# Altium PCB Board_Layout_Test.PcbDoc (part 2 of 2) (continued)
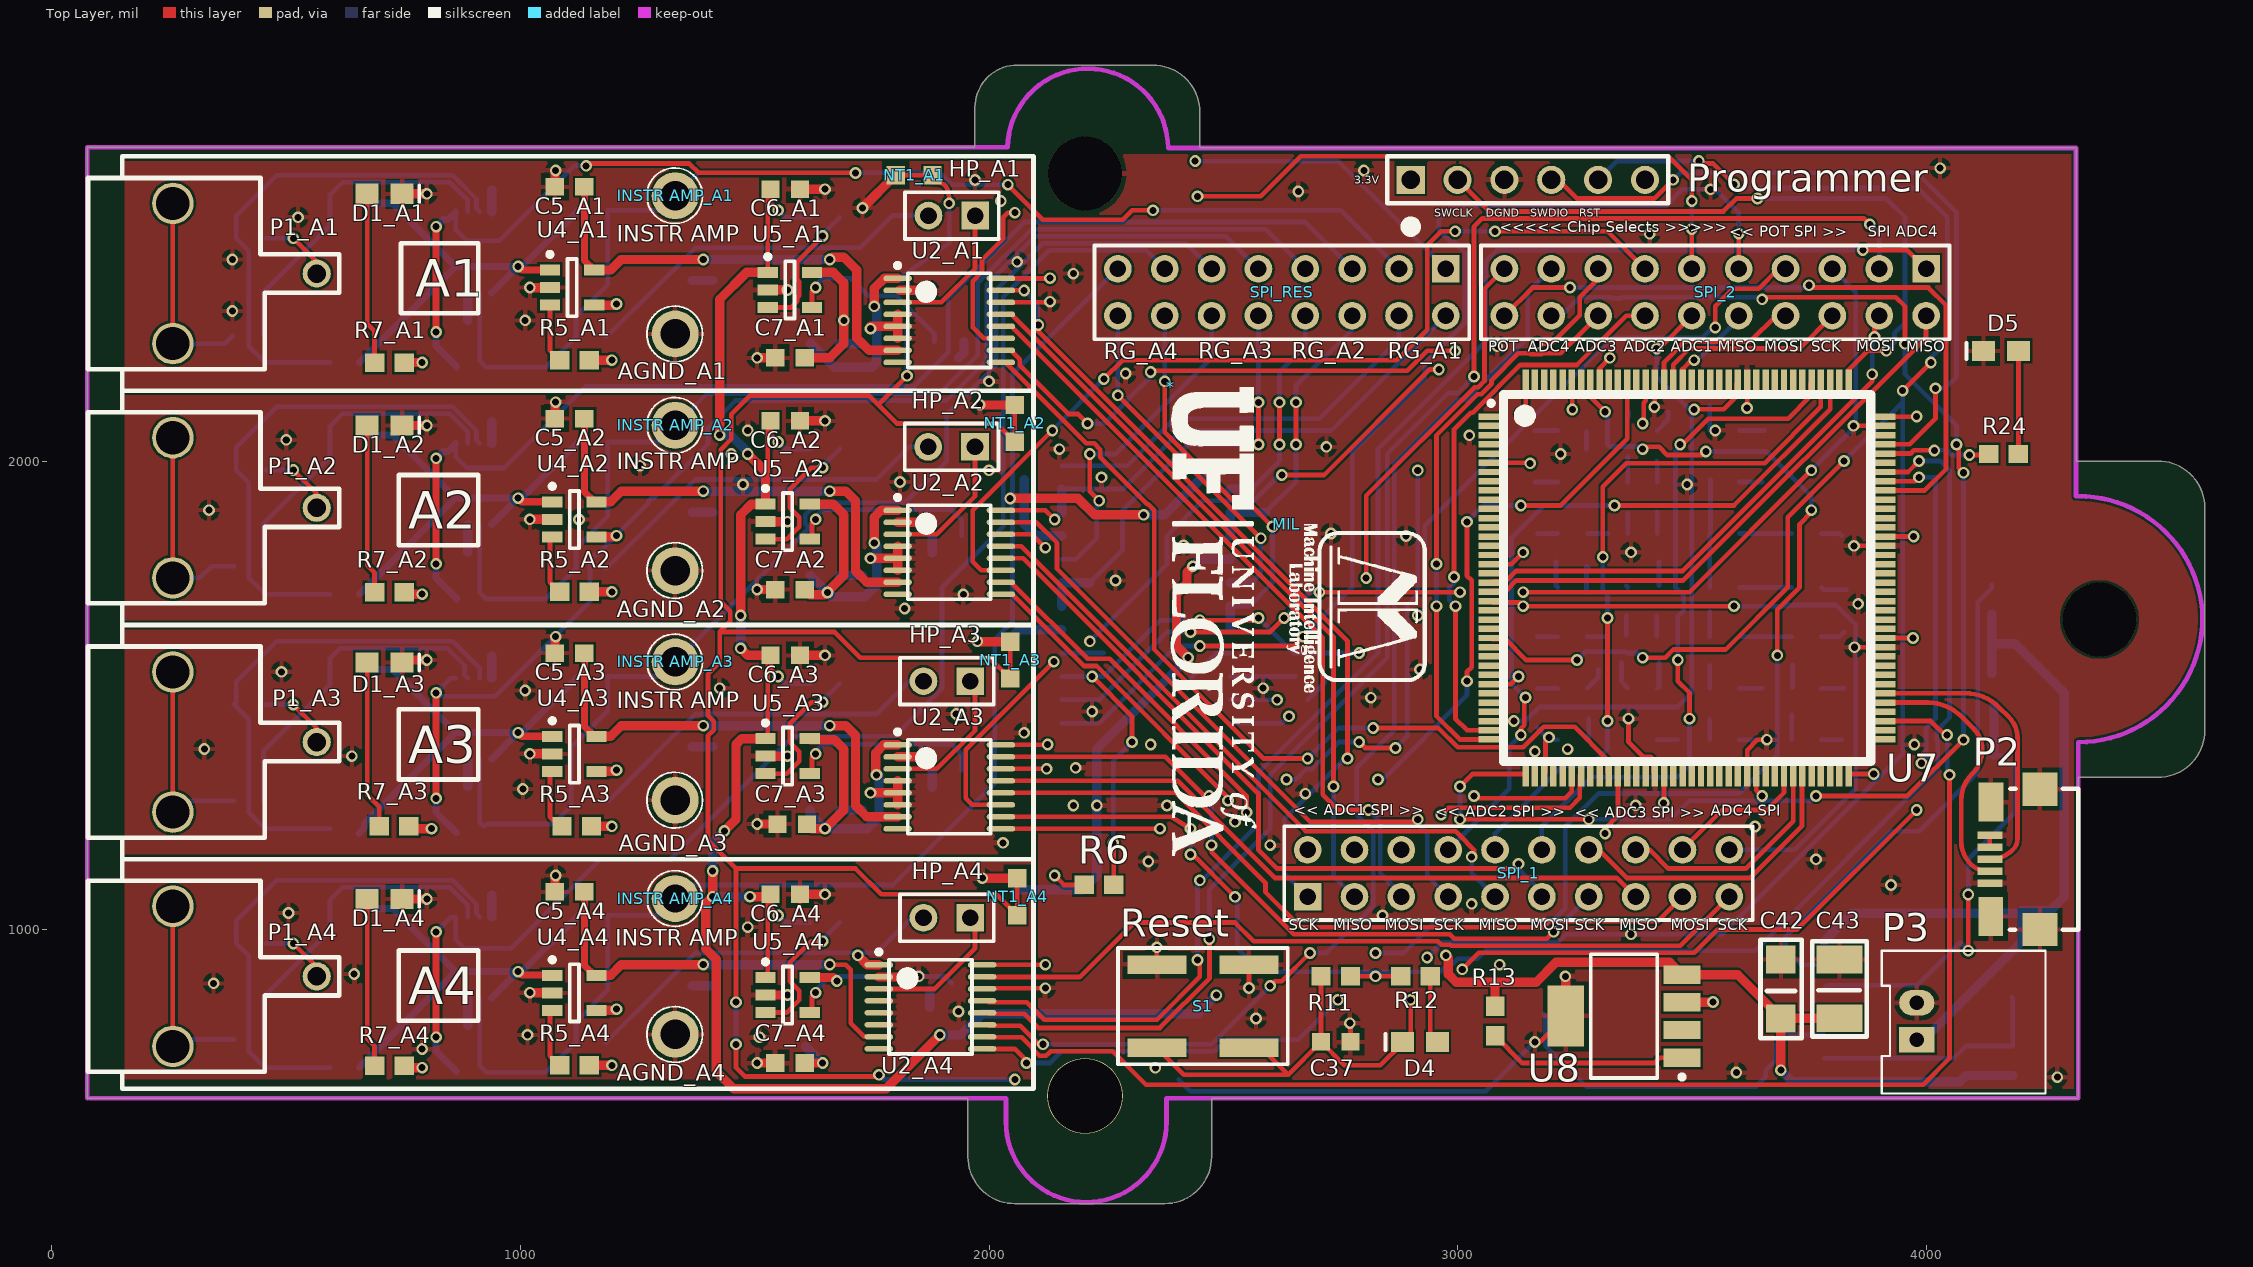
[diagram p0: Top Layer view]
## Nets (pads, with @x,y where several pads share a name; then routed paths per layer and width w, separated by ;. In a path a pad name is that pad's centre, name@x,y a point inside that pad or via, vN(x,y) a via of type N, cw(c..) or ccw(c..) an arc to the next point about the centre after c; other vN are vias at no path point) (continued)
  Bottom Layer w10: U3.23@2154.88,1940.21 2285,1940.21 2410,2065.21 2730,2065.21 SPI_RES.2@2975,2310.21
  Bottom Layer w20: U3.22@2154.88,1890.21 U3.23@2154.88,1940.21
RGA_2: DNP_A2.1 SPI_RES.5 U1_A2.1 | length 2650.6
  Top Layer w15: v1(820,1780.73) v1(820,2005.73)
  Bottom Layer w10: U1_A2.1@861.61,2036.83 861.61,2008.6 885,1985.21 965,1985.21 1138.97,2159.18 1840,2159.18 1913.19,2232.37 1913.19,2348.19 2075,2510 2675.21,2510 SPI_RES.5@2775,2410.21
  Bottom Layer w15: v1(820,1780.73) 820,1750.73 863.5,1707.22 DNP_A2.1@863.5,1705.73 ; v1(820,2005.73) 835,2020.73 845,2020.73 U1_A2.1@861.61,2037.34
RGA_2I: SPI_RES.6 U3.3 U3.4 | length 621.5
  Top Layer w10: v1(2655,2035.21) v1(2655,2125.21)
  Bottom Layer w10: 2590,1890.21 2655,1955.21 v1(2655,2035.21) ; v1(2655,2125.21) 2655,2160.21 2775,2280.21 SPI_RES.6@2775,2310.21
  Bottom Layer w20: U3.4@2515.12,1840.21 U3.3@2515.12,1890.21 2590,1890.21
RGA_3: DNP_A3.1 SPI_RES.9 U1_A3.1 | length 2734.6
  Top Layer w15: v1(820,1280.21) v1(820,1505.21)
  Bottom Layer w10: U1_A3.1@861.61,1536.32 851.1,1536.32 v1(820,1505.21) 827.44,1497.77 946.2,1497.77 1148.19,1699.76 1148.19,1789.95 1157.67,1799.43 1162.5,1799.43 1272.83,1909.76 1272.83,1914.55 1278.69,1920.41 1283.48,1920.41 1400.2,2037.12 1400.2,2070.41 1458.97,2129.18 1909.18,2129.18 1995,2215 1995,2376.43 2098.57,2480 2505.21,2480 SPI_RES.9@2575,2410.21
  Bottom Layer w15: v1(820,1280.21) 820,1250.21 DNP_A3.1@863.5,1206.71
RGA_3I: SPI_RES.10 U3.18 U3.19 | length 917.1
  Top Layer w10: v1(2575,2035.21) v1(2575,2125.21)
  Bottom Layer w10: 2215,1740.21 2285,1810.21 2285,1895.21 2425,2035.21 v1(2575,2035.21) ; v1(2575,2125.21) SPI_RES.10@2575,2310.21
  Bottom Layer w20: U3.18@2154.88,1690.21 U3.19@2154.88,1740.21 2215,1740.21
RGA_4: DNP_A4.1 SPI_RES.13 U1_A4.1 | length 2987.1
  Top Layer w15: v1(820,770.21) v1(820,995.21)
  Bottom Layer w10: v1(820,995.21) 851.1,1026.32 U1_A4.1@861.61,1026.32 861.61,978.6 880,960.21 980,960.21 1170,1150.21 1320,1150.21 1582.5,1412.71 1798.4,1412.71 1899.53,1513.84 1899.53,1729.74 2030,1860.21 2030,2351.01 2128.73,2449.74 2335.47,2449.74 SPI_RES.13@2375,2410.21
  Bottom Layer w15: v1(820,770.21) 820,740.21 DNP_A4.1@863.5,696.71
RGA_4I: SPI_RES.14 U3.7 U3.8 | length 842.7
  Top Layer w10: v1(2375,2170.21) 2375,2061.43 2526.21,1910.21 2555,1910.21 v1(2605,1860.21)
  Bottom Layer w10: v1(2375,2170.21) SPI_RES.14@2375,2310.21 ; U3.7@2515.12,1690.21 2555,1690.21 2605,1740.21 v1(2605,1860.21)
  Bottom Layer w20: U3.8@2515.12,1640.21 U3.7@2515.12,1690.21
RGB_1: "INSTR AMP_A1.1" C4_A1.1 DNP_A1.2 R4_A1.2 SPI_RES.3 U1_A1.6 | length 2509.4
  Top Layer w10: v1(2040,2590) 2115,2515 2285,2515 2305.21,2535.21 v1(2350,2535.21)
  Bottom Layer w10: U1_A1.6@912.8,2358.6 912.8,2213.91 DNP_A1.2@926.5,2200.21 1053.5,2200.21 C4_A1.1@1118.5,2265.21 1118.5,2308.72 1186.5,2376.71 R4_A1.2@1186.5,2535.21 1304.02,2535.21 1335,2566.2 ; 1330,2566.2 1379.02,2615.21 1894.79,2615.21 1920,2590 v1(2040,2590) ; v1@2350,2535 2750.21,2535 SPI_RES.3@2875,2410.21
RGB_1I: SPI_RES.4 U3.24 | length 882
  Bottom Layer w10: U3.24@2154.88,1990.21 2295,1990.21 2395,2090.21 2705,2090.21 2875,2260.21 SPI_RES.4@2875,2310.21
RGB_2: "INSTR AMP_A2.1" C4_A2.1 DNP_A2.2 R4_A2.2 SPI_RES.7 U1_A2.6 | length 2538.2
  Bottom Layer w10: U1_A2.6@912.8,1864.11 912.8,1719.43 DNP_A2.2@926.5,1705.73 1053.5,1705.73 C4_A2.1@1118.5,1770.73 1118.5,1814.23 1186.5,1882.22 R4_A2.2@1186.5,2040.73 1304.02,2040.73 1365,2101.71 1365,2111.2 ; 1330,2076.2 1397.98,2144.18 1894.18,2144.18 1976.18,2226.18 1976.18,2380.18 2091,2495 2590.21,2495 SPI_RES.7@2675,2410.21
RGB_2I: SPI_RES.8 U3.2 | length 462.5
  Top Layer w10: v1(2620,2035.21) v1(2620,2125.21)
  Bottom Layer w10: U3.2@2560,1940.21 2620,2000.21 v1(2620,2035.21) ; v1(2620,2125.21) 2620,2190.21 2675,2245.21 SPI_RES.8@2675,2310.21
  Bottom Layer w20: U3.2@2515.12,1940.21 U3.2@2560,1940.21
RGB_3: "INSTR AMP_A3.1" C4_A3.1 DNP_A3.2 R4_A3.2 SPI_RES.11 U1_A3.6 | length 2493.9
  Bottom Layer w10: U1_A3.6@912.8,1363.09 912.8,1228.91 DNP_A3.2@921.5,1220.21 ; DNP_A3.2@927.8,1225.13 1069.91,1225.13 1108.5,1263.72 C4_A3.1@1108.5,1275.21 1108.5,1388.72 1186.5,1466.71 R4_A3.2@1186.5,1540.21 1291.48,1540.21 1291.48,1571.69 ; 1329.51,1571.69 1330,1572.18 1330,1571.2 ; 1330,1607.55 1366.35,1607.55 1616.35,1857.55 1607.5,1866.41 1607.5,1885.05 1620.68,1898.23 1626.29,1898.23 1638.79,1910.73 1820.51,1910.73 1909.53,1999.74 1909.53,2100.32 2015,2205.79 2015,2365.21 2114.79,2465 2420.21,2465 SPI_RES.11@2475,2410.21
RGB_3I: SPI_RES.12 U3.20 | length 722
  Top Layer w10: v1(2215,2015.21) 2215,1935.21 v1(2235,1915.21)
  Bottom Layer w10: U3.20@2154.88,1790.21 2185,1790.21 2230,1835.21 v1@2230,1920.21 ; v1(2215,2015.21) 2270,2015.21 2475,2220.21 SPI_RES.12@2475,2310.21
RGB_4: "INSTR AMP_A4.1" C4_A4.1 DNP_A4.2 R4_A4.2 SPI_RES.15 U1_A4.6 | length 2833.3
  Bottom Layer w10: U1_A4.6@912.8,853.6 912.8,708.91 DNP_A4.2@926.5,695.21 1053.5,695.21 C4_A4.1@1118.5,760.21 1118.5,803.72 1186.5,871.71 R4_A4.2@1186.5,1030.21 1304.02,1030.21 1335,1061.2 ; 1330,1066.2 1359.02,1095.21 1795,1095.21 2012.5,1312.71 2012.5,1619.53 2050,1657.03 2050,2185.21 SPI_RES.15@2275,2410.21
RGB_4I: SPI_RES.16 U3.6 | length 749.5
  Top Layer w10: v1(2275,2140.21) v1(2580,1835.21)
  Bottom Layer w10: v1(2275,2140.21) SPI_RES.16@2275,2310.21 ; U3.6@2560,1740.21 2580,1760.21 v1(2580,1835.21)
  Bottom Layer w20: U3.6@2515.12,1740.21 U3.6@2560,1740.21
RX: P2.2 U7.77 | length 568.2
  Top Layer w10: U7.77@3908.31,1484.47 4004.11,1484.47 cw(c4004.11,1384.47) 4074.82,1455.18 4102.32,1427.68 cw(c4059.64,1385) 4120,1385 cw(c4044.14,1385) 4097.78,1331.36 ccw(c4152.78,1276.36) 4097.71,1331.29 ccw(c4152.78,1276.36) 4075,1276.36 4075,1188.28 ccw(c4143.28,1188.28) 4095,1140 ccw(c4132.64,1177.64) 4132.64,1124.41 P2.2@4136,1124.41
SCK_ADC1: SPI_1.1 U2_A1.15 | length 1707.5
  Top Layer w10: U2_A1.15@2025.24,2364.19 v1(2075,2364.19) ; v1(2105,2290.21) 2105.61,2289.61 2105.61,2275.82 2765,1616.43 v1(2765,1365.21)
  Bottom Layer w10: v1(2075,2364.19) 2103.98,2335.21 v1@2103.98,2291.24 ; SPI_1.1@2680,1070.21 2630.2,1120.02 2630.2,1235.41 2760,1365.21 v1(2765,1365.21)
SCK_ADC2: SPI_1.7 U2_A2.15 | length 1380.6
  Top Layer w10: U2_A2.15@2025.24,1869.19 2101.02,1869.19 2145,1825.21 2145,1770.21 2685,1230.21 2910,1230.21 v1(2915,1235.21)
  Bottom Layer w10: v1(2915,1235.21) 2915,1225.21 2935,1205.21 2935,1115.21 SPI_1.7@2980,1070.21
SCK_ADC3: SPI_1.13 U2_A3.15 | length 1537.4
  Top Layer w10: U2_A3.15@2025.24,1368.68 2376.54,1368.68 v1@2465,1280.21 ; v1(2475,1180.21) 2475,1165.21 2650.21,990 2983.03,990 2992.82,980.21 3190,980.21 v1(3205,995.21) ; SPI_1.13@3280,1050.21 SPI_1.13@3280,1070.21
  Bottom Layer w10: v1(2470,1285.21) 2470,1275.21 2475,1270.21 v1(2475,1180.21) ; v1(3205,995.21) SPI_1.13@3280,1070.21
SCK_ADC4: SPI_1.19 U2_A4.15 | length 1697.3
  Top Layer w10: U2_A4.15@1995,898.68 2193.68,898.68 2310,1015 2525,1015 2565,975 2958.18,975 2965.68,967.5 2984.32,967.5 2986.61,965.21 3475,965.21 SPI_1.19@3580,1070.21
SCK_POT: SPI_2.5 U3.14 | length 2300.2
  Top Layer w10: v1(2430,1635.21) 2600,1635.21 v1(2630,1665.21) v1@2635,1670.21 ; v1(2705,1720.21) v1(3005,1720.21) ; v1(3140,1720.21) 3495,1720.21 v1(3755,1980.21)
  Ground w10: v1(3005,1720.21) v1(3140,1720.21)
  Bottom Layer w10: U3.14@2154.88,1490.21 2235,1490.21 2380,1635.21 v1(2430,1635.21) ; v1(2630,1665.21) 2685,1720.21 v1(2705,1720.21) ; v1(3755,1980.21) 3850,2075.21 3850,2360.21 SPI_2.5@3800,2410.21
SDI_ADC1: SPI_1.5 U2_A1.12 | length 1622.6
  Top Layer w10: U2_A1.12@2025.24,2287.42 2047.8,2287.42 2712.5,1622.71 2712.5,1287.71 2745,1255.21 v1(2810,1255.21)
  Bottom Layer w10: v1(2810,1255.21) 2835,1230.21 2835,1120.21 2880,1075.21 SPI_1.5@2880,1070.21
SDI_ADC2: SPI_1.11 U2_A2.12 | length 1544.2
  Top Layer w10: U2_A2.12@2025.24,1792.42 2072.8,1792.42 2575,1290.21 2575,1170.21 2615,1130.21 3120,1130.21 v1(3130,1140.21)
  Bottom Layer w10: v1(3130,1140.21) 3130,1130.21 3180,1080.21 SPI_1.11@3180,1070.21
SDI_ADC3: SPI_1.17 U2_A3.12 | length 1612.2
  Top Layer w10: U2_A3.12@2025.24,1291.91 2398.31,1291.91 2590,1100.21 2590,1080.21 2665,1005.21 3183.18,1005.21 3195.68,1017.71 3427.5,1017.71 SPI_1.17@3480,1070.21
SDI_ADC4: SPI_2.3 U2_A4.12 | length 3338.2
  Top Layer w10: U2_A4.12@1999.08,820 2075,820 2105,790 2364.79,790 2470.61,895.82 v1@2470.61,980 ; v1(3035,2180.21) 3035,2500.21 3052.5,2517.71 3867.5,2517.71 v1(3880,2505.21)
  Bottom Layer w10: 2470,1065 2470,1085.21 2600,1215.21 2600,1330.21 2850,1580.21 2850,2015.21 2980,2145.21 3000,2145.21 v1(3035,2180.21) ; v1@2470.61,980 2470.61,1064.61 ; v1(3880,2505.21) 3900,2485.21 SPI_2.3@3900,2410.21
  other v1: 2470,980
SDI_POT: SPI_2.7 U3.12 | length 1715.1
  Top Layer w10: v1(3550,2285.21) 3550,2330.21 3587.5,2367.71 3642.5,2367.71 3685,2410.21 SPI_2.7@3700,2410.21
  Power w10: v1(2640,1455.21) 2700,1455.21 v1(2915,1670.21)
  Bottom Layer w10: U3.12@2515.12,1440.21 2625,1440.21 v1(2640,1455.21) ; v1(2915,1670.21) 2930,1685.21 2930,1862.03 3330.68,2262.71 3522.5,2262.71 v1@3547.5,2287.71
SDO_ADC1: SPI_1.3 U2_A1.13 | length 1568.3
  Top Layer w10: U2_A1.13@2025.24,2313.01 2047.2,2313.01 2735,1625.21 v1(2735,1305.21)
  Bottom Layer w10: v1(2735,1305.21) 2735,1115.21 SPI_1.3@2780,1070.21
SDO_ADC2: SPI_1.9 U2_A2.13 | length 1399.7
  Top Layer w10: U2_A2.13@2025.24,1818.01 2068.42,1818.01 2676.08,1210.35 ; 2675.47,1209.74 2996.37,1209.74 3019.53,1186.59 3019.53,1185.69 3035,1170.21 v1@3035,1155.21
  Bottom Layer w10: v1(3030,1155.21) 3030,1120.21 SPI_1.9@3080,1070.21
SDO_ADC3: SPI_1.15 U2_A3.13 | length 1457.2
  Top Layer w10: U2_A3.13@2025.24,1317.5 2402.72,1317.5 2610,1110.21 3340,1110.21 SPI_1.15@3380,1070.21
SDO_ADC4: SPI_2.1 U2_A4.13 | length 3254.3
  Top Layer w10: U2_A4.13@1999.3,845 2080,845 2117.5,807.5 2358.47,807.5 2450,899.03 v1@2450,934 ; v1(3865,2450.21) 3960,2450.21 SPI_2.1@4000,2410.21
  Bottom Layer w10: v1(2445,935) 2445,1100.21 v1(2450,1105.21) 2455,1105.21 2575,1225.21 2575,1335.21 2830,1590.21 2830,2025.21 3060.47,2255.69 3060.47,2426.59 3083.63,2449.74 v1@3865,2449.74
SDO_POT: SPI_2.9 U3.13 | length 2480.5
  Top Layer w10: v1(2450,1605.21) 2650,1605.21 v1(2670,1625.21) ; SPI_2.9@3579.06,2410.21 SPI_2.9@3600,2410.21 v1(3600,2485.21)
  Bottom Layer w10: U3.13@2154.88,1440.21 2235,1440.21 2400,1605.21 v1(2450,1605.21) ; v1(2670,1625.21) 2775,1730.21 2775,2020.21 2930,2175.21 2930,2210.21 2990.47,2270.69 2991.37,2270.69 3015,2294.31 3015,2445.21 2992.5,2467.71 2985.68,2467.71 2960,2493.39 2960,2515.21 2990,2545.21 3445,2545.21 3480,2580.21 3550,2580.21 3600,2530.21 v1(3600,2485.21)
SPI1_CE: SPI_2.12 U7.34 | length 1318.3
  Top Layer w10: U7.34@3071.69,1445.1 3119.88,1445.1 v1(3120,1445.21) ; v1@3430,2240.21 SPI_2.12@3500,2310.21
  Bottom Layer w10: v1(3120,1445.21) 3145,1445.21 3175,1475.21 3470,1475.21 3500,1505.21 3500,2105.21 3425,2180.21 v1(3425,2240.21)
SPI1_MISO: SPI_1.4 U7.42 | length 553
  Top Layer w10: v1@3035,1280.21 3230,1280.21 3243.94,1294.15 U7.42@3243.94,1331.91
  Power w10: SPI_1.4@2780,1170.21 2790,1170.21 2900,1280.21 v1@3035,1280.21
  other v1: 3035,1285.21
SPI1_MOSI: SPI_1.6 U7.43 | length 478.8
  Top Layer w10: v1(2965,1245.21) 2980,1260.21 3240,1260.21 3260.83,1281.04 3260.83,1329.11 U7.43@3263.62,1331.91
  Power w10: SPI_1.6@2880,1170.21 2890,1170.21 v1(2965,1245.21)
SPI1_SCK: SPI_1.2 U7.133 | length 1391.6
  Top Layer w10: v1(3020,1530.21) 3020,1550.21 3030,1560.21 3030,1745.21 3020,1755.21 v1(3020,1870.21) ; v1(3135,1905.21) 3220,1905.21 3362.05,2047.26 U7.133@3362.05,2168.52
  Power w10: SPI_1.2@2680,1170.21 v1(2830,1320.21)
  Bottom Layer w10: v1(2830,1320.21) 2840,1320.21 3020,1500.21 v1(3020,1530.21) ; v1(3020,1870.21) 3055,1905.21 v1(3135,1905.21)
SPI3_CE: SPI_2.14 U7.35 | length 1226.1
  Top Layer w10: v1(2992.5,1752.71) 2992.5,2067.71 3028.11,2103.32 3032.35,2103.32 3134.13,2205.1 3254.88,2205.1 3360,2310.21 SPI_2.14@3400,2310.21 ; v1@2995.39,1694.82 v1(2995.39,1690.21) 2995.39,1450.21 3020.2,1425.41 U7.35@3071.69,1425.41
  Bottom Layer w10: v1(2992.5,1752.71) 2992.5,1739.53 2982.5,1729.53 2982.5,1703.11 v1(2995.39,1690.21)
SPI3_MISO: SPI_1.10 U7.112 | length 1507.6
  Top Layer w10: v1(3310,1795.21) 3310,1945.21 3360,1995.21 3655.21,1995.21 3775.43,2115.43 U7.112@3775.43,2168.52 ; v1(3320,1445.21) v1(3320,1665.21) v1@3320,1670.21
  Bottom Layer w10: SPI_1.10@3080,1170.21 3080,1205 3225.21,1350.21 3285,1350.21 3320,1385.21 v1(3320,1445.21) ; v1(3310,1795.21) 3310,1725.21 3320,1715.21 v1(3320,1665.21)
SPI3_MOSI: SPI_1.12 U7.113 | length 1490.2
  Top Layer w10: v1(3470,1575.21) 3470,1530.21 3495,1505.21 v1(3495,1450.21) ; v1(3475,2035.21) 3475,2030.21 3535,2090.21 3705.36,2090.21 3752.95,2137.8 3752.95,2165.73 U7.113@3755.75,2168.52
  Bottom Layer w10: SPI_1.12@3180,1170.21 3180,1220.21 3285,1325.21 3470,1325.21 3495,1350.21 v1(3495,1450.21) ; v1(3470,1575.21) 3470,1668.39 3482.5,1680.89 3482.5,1712.71 3465,1730.21 3465,2020.21 3475,2030.21 v1(3475,2035.21)
SPI3_SCK: SPI_1.8 U7.111 | length 1594.5
  Top Layer w10: v1(3135,1415.21) 3135,1428.39 3142.5,1435.89 v1@3142.5,1492.71 ; v1@3325,1905.21 3590,1905.21 3795.12,2110.33 U7.111@3795.12,2168.52
  Bottom Layer w10: SPI_1.8@2980,1170.21 3110,1300.21 3110,1390.21 v1(3135,1415.21) ; v1(3145,1495.21) 3115,1525.21 3115,1835.21 3185,1905.21 v1@3325,1905.21
  other v1: 3335,1905.21
SPI4_CE: SPI_2.16 U7.36 | length 1194.6
  Top Layer w10: v1(2955,1690.21) 2955,1455.21 3004.49,1405.73 U7.36@3071.69,1405.73 ; v1(2955,1780.21) 2955,2055.21 3042.5,2142.71 3050.53,2142.71 3072.5,2164.68 3072.5,2172.71 3130,2230.21 3153.18,2230.21 3155.68,2227.71 3179.32,2227.71 3181.82,2230.21 3220,2230.21 SPI_2.16@3300,2310.21
  Bottom Layer w10: v1(2955,1690.21) v1(2955,1780.21)
SPI4_MISO: SPI_1.16 U7.66 | length 495.3
  Top Layer w10: SPI_1.16@3380,1170.21 3410,1170.21 3450,1130.21 3615,1130.21 3716.38,1231.59 U7.66@3716.38,1331.91
SPI4_MOSI: SPI_1.18 U7.65 | length 307.1
  Top Layer w10: SPI_1.18@3480,1170.21 3565,1255.21 3660,1255.21 3696.69,1291.91 U7.65@3696.69,1331.91
SPI4_SCK: SPI_1.14 U7.67 | length 636
  Top Layer w10: SPI_1.14@3280,1170.21 3301.21,1170.21 3361.21,1110.21 3625,1110.21 3735,1220.21 U7.67@3735,1330.84
SPI5_CE: SPI_2.18 U7.37 | length 3121.8
  Top Layer w10: v1(3005,1235.21) v1(3280,1235.21) ; v1(3005,1305.21) 3031.69,1331.91 U7.37@3145.51,1331.91 ; v1(3650,2345.21) 3654.53,2349.74 3935.47,2349.74 3955,2330.21 v1(3955,2250.21) ; v1(3765,1285.21) 3960,1285.21 v1@4079.89,1405.11 ; v1(4065,2035.21) 4069.79,2030.43 4069.79,2003.39 4070,2003.18 4070,1985 v1(4080,1975)
  Bottom Layer w10: v1@3005,1240.21 v1(3005,1305.21) ; SPI_2.18@3200,2310.21 3220.94,2310.21 3260.47,2349.74 3328.65,2349.74 3330.68,2347.71 3349.32,2347.71 3351.35,2349.74 v1@3650,2349.74 ; v1(3280,1235.21) 3455,1235.21 3495,1275.21 3755,1275.21 v1(3765,1285.21) ; v1(3955,2250.21) 3955,2185.21 4065,2075.21 v1(4065,2035.21) ; v1(4080,1405) v1(4080,1975)
SPI5_MISO: SPI_2.2 U7.20 | length 1199.9
  Top Layer w10: U7.20@3071.69,1720.69 3074.49,1723.48 3103.94,1723.48 3125.67,1745.21 3481.82,1745.21 4000,2263.39 SPI_2.2@4000,2310.21
SPI5_MOSI: SPI_2.4 U7.19 | length 1137.6
  Top Layer w10: U7.19@3071.69,1740.37 3074.49,1743.17 3102.41,1743.17 3124.46,1765.21 3480,1765.21 3885,2170.21 v1(3885,2185.21) ; v1(3890,2265.21) 3890,2300.21 SPI_2.4@3900,2310.21
  Bottom Layer w10: v1(3885,2185.21) 3885,2260.21 v1(3890,2265.21)
SPI5_SCK: SPI_1.20 U7.21 | length 1478.8
  Top Layer w10: U7.21@3071.69,1701 3074.49,1698.21 3132.01,1698.21 v1(3140,1690.21) v1(3590,1690.21)
  Bottom Layer w10: v1(3140,1690.21) v1@3142.5,1692.71 ; SPI_1.20@3580,1170.21 3720,1170.21 3850,1300.21 3850,1650.21 3807.5,1692.71 3705.68,1692.71 3703.18,1690.21 v1(3590,1690.21)
SPI6_CE: SPI_2.20 U7.100 | length 1485.9
  Top Layer w10: SPI_2.20@3100,2310.21 3160,2370.21 v1(3240,2370.21) ; v1@3750,2370.21 4005,2370.21 4042.5,2332.71 4042.5,1982.71 3997.01,1937.22 U7.100@3908.31,1937.22
  Bottom Layer w10: v1(3240,2370.21) v1@3750,2370.21
  other v1: 3750,2375.21
SPI6_MISO: SPI_2.10 U7.127 | length 198.9
  Top Layer w10: U7.127@3480.16,2168.52 3480.16,2196.44 3498.93,2215.21 v1(3505,2215.21)
  Bottom Layer w10: v1(3505,2215.21) 3511.82,2215.21 3600,2303.39 SPI_2.10@3600,2310.21
SPI6_MOSI: SPI_2.8 U7.129 | length 342.8
  Top Layer w10: U7.129@3440.79,2168.52 3440.79,2211 3485,2255.21 3625,2255.21 3680,2310.21 SPI_2.8@3700,2310.21
SPI6_SCK: SPI_2.6 U7.128 | length 420
  Top Layer w10: U7.128@3460.47,2168.52 3460.47,2205.69 3495,2240.21 3730,2240.21 SPI_2.6@3800,2310.21
SWCLK: Programmer.2 U7.109 | length 1431
  Top Layer w10: Programmer.2@3000,2600.21 3067.5,2532.71 3567.5,2532.71 3595,2560.21 v1(3640,2560.21) ; U7.109@3834.49,2168.52 3834.49,2194.7 3875,2235.21 v1(3915,2235.21)
  Bottom Layer w10: v1@3645,2560.21 3915,2560.21 3955,2520.21 3955,2295.21 3932.5,2272.71 3932.5,2252.71 v1(3915,2235.21)
SWDIO: Programmer.4 U7.105 | length 1551.3
  Top Layer w10: Programmer.4@3200,2600.21 3215,2600.21 3255,2560.21 3420,2560.21 v1(3460,2600.21) v1@3465,2605.21 ; U7.105@3908.31,2035.65 3965.43,2035.65 4020,2090.21 v1(4020,2155.21)
  Bottom Layer w10: v1(3460,2600.21) 3475,2615.21 3980,2615.21 4065,2530.21 4065,2180.21 4040,2155.21 v1(4020,2155.21)
TX: P2.3 U7.78 | length 630.5
  Top Layer w10: U7.78@3908.31,1504.15 4084.43,1504.15 cw(c4084.43,1404.15) 4155.14,1474.86 4177.32,1452.68 cw(c4134.64,1410) 4195,1410 4195,1194.14 cw(c4160.86,1194.14) 4185,1170 cw(c4136.72,1218.28) 4136.72,1150 P2.3@4136,1150
VIN: C40.1 C41.1 P3.1 R10.1 R17.1 U9.1 | length 1681.8
  Bottom Layer w20: U9.1@3782.6,975 3842.6,1035 C40.1@3975,1035 C41.1@4199.21,1035 ; P3.1@3980,765 3995,765 4205,975 C41.1@4205,1040.79 4265.79,1040.79 4295,1070 4295,1505 4190,1610 4140,1610 ; R10.1@4140,1546.5 4140,1610 ; R17.1@4140,1673.5 4140,1610
pads on no net: Programmer.6 U1_A1.8 U1_A2.8 U1_A3.8 U1_A4.8 U2_A1.8 U2_A2.8 U2_A3.8 U2_A4.8 U7.1 U7.2 U7.3 U7.4 U7.5 U7.7 U7.8 U7.9 U7.10 U7.11 U7.12 U7.13 U7.14 U7.15 U7.18 U7.22 U7.23 U7.24 U7.26 U7.27 U7.28 U7.29 U7.32 U7.33 U7.40 U7.41 U7.44 U7.45 U7.48 U7.49 U7.50 U7.53 U7.54 U7.55 U7.56 U7.57 U7.58 U7.59 U7.60 U7.63 U7.64 U7.68 U7.69 U7.70 U7.71 U7.73 U7.74 U7.76 U7.79 U7.80 U7.81 U7.82 U7.85 U7.86 U7.87 U7.88 U7.89 U7.90 U7.91 U7.92 U7.93 U7.96 U7.97 U7.98 U7.99 U7.103 U7.106 U7.110 U7.114 U7.115 U7.116 U7.117 U7.118 U7.119 U7.122 U7.123 U7.124 U7.125 U7.126 U7.132 U7.134 U7.135 U7.138 U7.140 U7.141 U7.142 U7.143 U8.2
copper on no net: | length 11.9
  Bottom Layer w10: v3@3363.5,2093.91 3365,2095.41 v3(3365,2105.21)

## Polygon pours and split planes (outlines as drawn)
4.2V_A2 on Power "4.2V_A2" (solid, remove dead copper, pour order 23): 155,2140.21 2090,2140.21 2090,1660.21 155,1660.21 155,2140.21
4.2V_A1 on Power "4.2V_A1" (solid, remove dead copper, pour order 21): 150,2640.21 2090,2640.21 2090,2160.21 155,2160.21 155,2635.21 150,2640.21
4.2V_A3 on Power "4.2V_A3" (solid, remove dead copper, pour order 26): 155,1640.21 2090,1640.21 2090,1160.21 155,1160.21 155,1640.21
4.2V_A4 on Power "4.2V_A4" (solid, remove dead copper, pour order 30): 157.09,1145.1 2090,1145.1 2090,685.1 157.09,685.1 157.09,1145.1
3.3VD on Power "3.3VD" (solid, remove dead copper, pour order 38): 2105,2655.21 4615,2655.21 4615,660.21 2105,660.21 2105,2655.21
AGND2 on Ground "AGND_A2" (solid, pour order 24): 155,2140.21 2090,2140.21 2090,1660.21 155,1660.21 155,2140.21
AGND1 on Ground "AGND_A1" (solid, remove dead copper, pour order 22): 155,2640.21 2090,2640.21 2090,2160.21 155,2160.21 155,2640.21
AGND3 on Ground "AGND_A3" (solid, remove dead copper, pour order 28): 155,1640.21 2090,1640.21 2090,1160.21 155,1160.21 155,1640.21
AGND4 on Ground "AGND_A4" (solid, remove dead copper, pour order 32): 155,1142.86 2090,1142.86 2090,677.86 155,677.86 155,1142.86
DGND on Ground "DGND" (solid, remove dead copper, pour order 37): 2105,2655.21 4610,2655.21 4610,660.21 2105,660.21 2105,2655.21
AGND1 on Top Layer "AGND_A1" (solid, remove dead copper, pour order 25): 155,2640.21 2090,2640.21 2090,2165.21 2080,2155.21 155,2155.21 155,2640.21
AGND2 on Top Layer "AGND_A2" (solid, remove dead copper, pour order 29): 155,2140.21 2090,2140.21 2090,1655.73 2085.51,1660.21 155,1660.21 155,2140.21
AGND3 on Top Layer "AGND_A3" (solid, remove dead copper, pour order 33): 155,1640.21 2090,1640.21 2090,1155.21 2085,1160.21 155,1160.21 155,1640.21
AGND4 on Top Layer "AGND_A4" (solid, remove dead copper, pour order 36): 155,1145.21 2090,1145.21 2090,680.21 160,680.21 155,675.21 155,1145.21
DGND on Top Layer "DGND" (solid, remove dead copper, pour order 39): 2105,2655.21 4615,2655.21 4615,660.21 2105,660.21 2105,2655.21
AGND1 on Bottom Layer "AGND_A1" (solid, remove dead copper, pour order 27): 155,2640.21 2090,2640.21 2090,2165.21 2095,2160.21 2090,2155.21 155,2155.21
AGND2 on Bottom Layer "AGND_A2" (solid, remove dead copper, pour order 31): 155,2140.21 2090,2140.21 2090,1665.21 2095,1660.21 2090,1665.21 155,1665.21 155,2140.21
AGND3 on Bottom Layer "AGND_A3" (solid, remove dead copper, pour order 34): 155,1640.21 2090,1640.21 2090,1160.21 2085,1165.21 155,1165.21 155,1640.21
AGND4 on Bottom Layer "AGND_A4" (solid, remove dead copper, pour order 35): 2095,1145.21 2090,1140.21 155,1140.21 155,675.21 2095,675.21 2095,1140.21
DGND on Bottom Layer "DGND" (solid, remove dead copper, pour order 40): 2105,2650.21 2105,660.21 4610,660.21 4610,2655.21

## Keep-outs
Keep-Out Layer:
  lines w10: 75,640.05 75,2670 2039.54,2670 cw(c2210.89,2666.15) 2382.26,2668.31 ; 80,640.05 2036.12,640.05 ; 2036.12,640 2036.12,589.81 ccw(c2207.51,589.49) 2378.89,590 2378.89,640 4325,640 4325,1399.95 ccw(c4324.95,1665) 4590,1665 ccw(c4325,1660) 4324.95,1925.05 ; 2382.26,2668.22 4320,2668.22 4320,1925

## Silkscreen, mask and mechanical layers (free items; w line width, h text height)
Top Overlay:
  lines w9.84: 150,660.21 150,696.21 ; 150,1104.21 150,1150.21 150,1195.21 ; 150,1604.21 150,1650.21 150,1695.21 ; 150,2104.21 150,2150.21 150,2195.21 ; 150,2604.21 150,2650.21 ; 740,805.21 740,955.21 910,955.21 910,805.21 892.5,805.21 837.5,805.21 740,805.21 ; 740,1320.21 740,1470.21 910,1470.21 910,1320.21 892.5,1320.21 837.5,1320.21 740,1320.21 ; 740,1820.21 837.5,1820.21 892.5,1820.21 910,1820.21 910,1970.21 740,1970.21 740,1820.21 ; 745,2315.21 745,2465.21 910,2465.21 910,2315.21 897.5,2315.21 842.5,2315.21 745,2315.21
  lines w10: 150,660.21 2095,660.21 2095,1150.21 ; 150,1150.21 2095,1150.21 ; 150,1650.21 2095,1650.21 ; 150,2150.21 2095,2150.21 ; 150,2650.21 2095,2650.21 2095,2150.21 ; 2095,1150.21 2095,1650.21 ; 2095,1650.21 2095,2150.21
  text "3.3V" at 2780,2585.21 h29.53
  text "SWCLK" at 2950,2515.21 h29.53
  text "DGND" at 3060,2515.21 h29.53
  text "SWDIO" at 3155,2515.21 h29.53
  text "RST" at 3260,2515.21 h29.53
  text "<<<<< Chip Selects >>>>>" at 3090,2480.21 h39.37
  text "<< POT SPI >>" at 3580,2470.21 h39.37
  text "SPI ADC4" at 3875,2470.21 h39.37
  text "INSTR AMP" at 1205,2456.14 h60
  text "A1" at 775,2350.21 h80
  text "MOSI" at 3850.98,2225.61 h39.37
  text "POT" at 3065,2225.21 h39.37
  text "ADC4" at 3150,2225.21 h39.37
  text "ADC3" at 3250,2225.21 h39.37
  text "ADC2" at 3355,2225.21 h39.37
  text "ADC1" at 3455,2225.21 h39.37
  text "MISO" at 3555,2225.21 h39.37
  text "MOSI" at 3655,2225.21 h39.37
  text "SCK" at 3755,2225.21 h39.37
  text "MISO" at 3957.5,2225.21 h39.37
  text "RG_A3" at 2446.68,2206.14 h60
  text "RG_A2" at 2645.76,2206.14 h60
  text "RG_A1" at 2850.76,2206.14 h60
  text "RG_A4" at 2245,2205.21 h60
  text "INSTR AMP" at 1205,1970.21 h60
  text "A2" at 760,1855.21 h80
  text "INSTR AMP" at 1205,1460.21 h60
  text "A3" at 760,1355.21 h80
  text "<< ADC1 SPI >>" at 2650,1235.21 h39.37
  text "ADC4 SPI" at 3540,1234.56 h39.37
  text "<< ADC2 SPI >>" at 2952.38,1232.6 h39.37
  text "<< ADC3 SPI >>" at 3250,1230.21 h39.37
  text "SCK" at 2640,990.21 h39.37
  text "MISO" at 2735,990.21 h39.37
  text "MOSI" at 2845,990.21 h39.37
  text "SCK" at 2950,990.21 h39.37
  text "MISO" at 3045,990.21 h39.37
  text "MOSI" at 3155,990.21 h39.37
  text "SCK" at 3250,990.21 h39.37
  text "MISO" at 3345,990.21 h39.37
  text "MOSI" at 3455,990.21 h39.37
  text "SCK" at 3555,989.56 h39.37
  text "Reset" at 2280,985 h60
  text "INSTR AMP" at 1202.25,954.06 h60
  text "A4" at 760,840.21 h80
Bottom Overlay:
  lines w10: 150,1150.21 2095,1150.21 ; 150,1650.21 2095,1650.21 ; 150,2150.21 2095,2150.21 ; 150,675.21 150,2650.21 2095,2650.21 2095,675.21 150,675.21
  text "Sr.Design Fall 2015" at 4065,2480.21 h60
  text "Jacob Easterling" at 4060,2180.23 h60
  text "Garrett Smith" at 4080,1285 h60